# Allegro board ZDRK-36-DE3-A02-20190729.brd
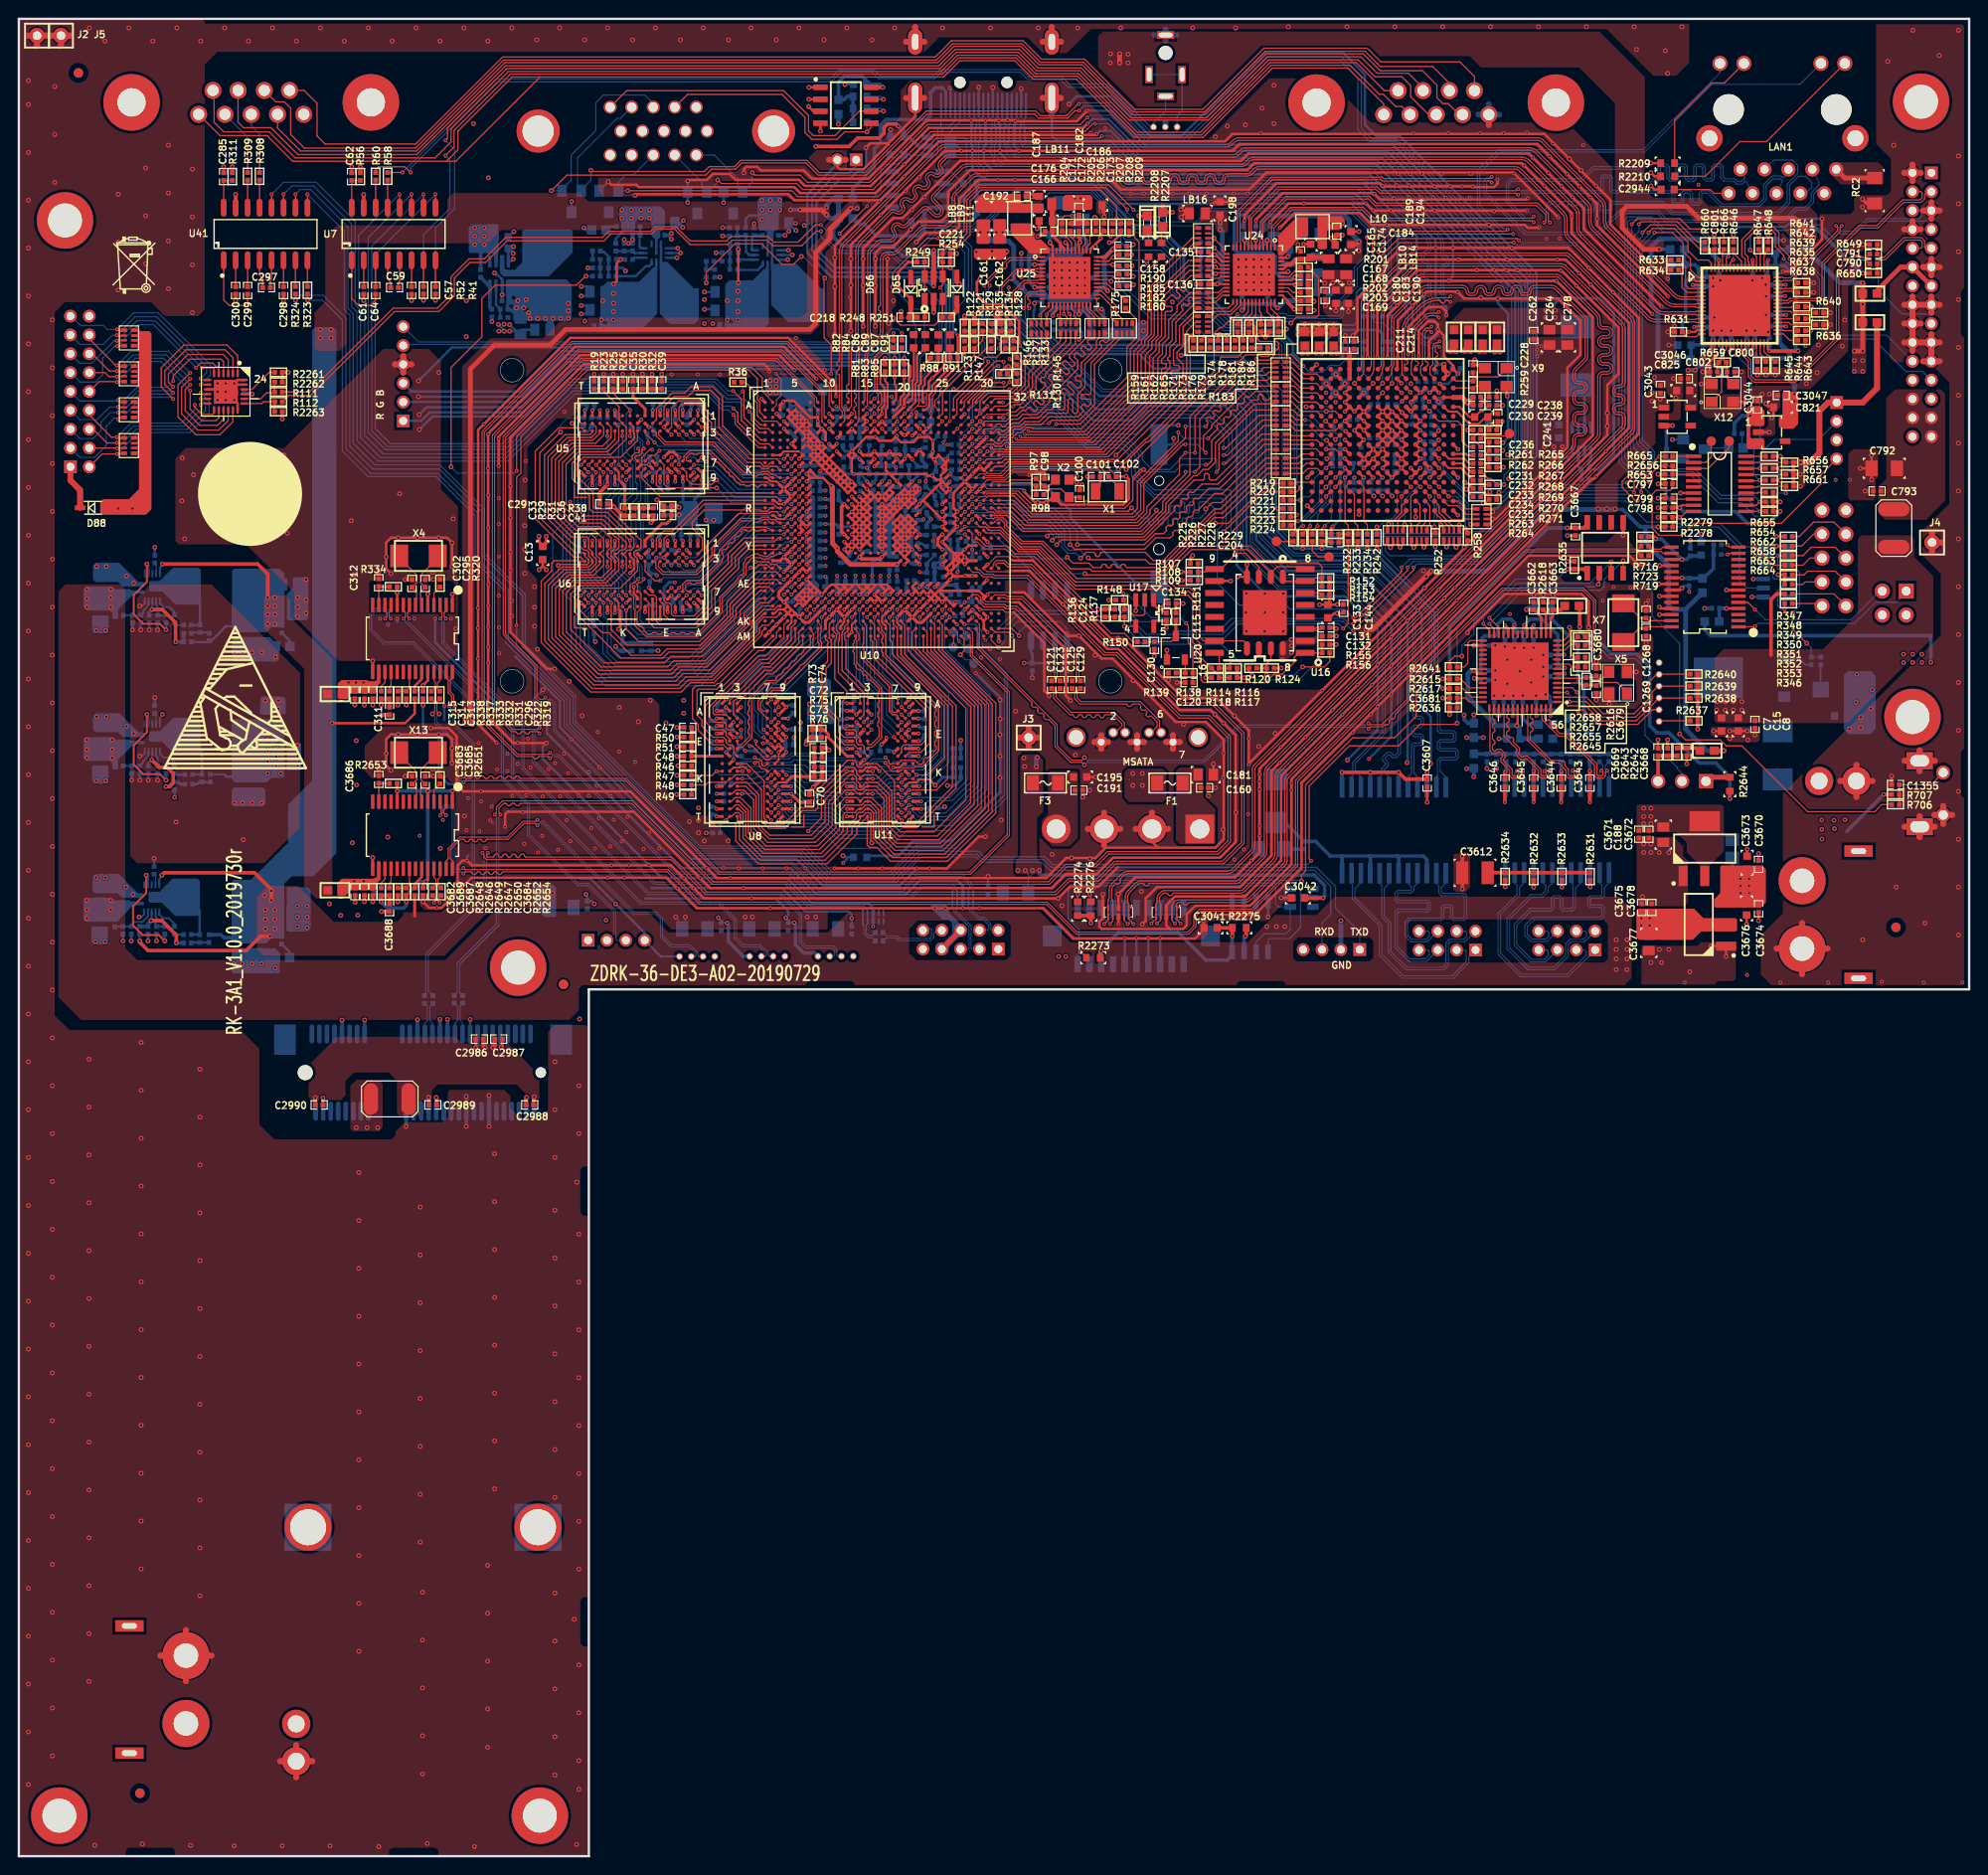
[diagram p0: board, top side]
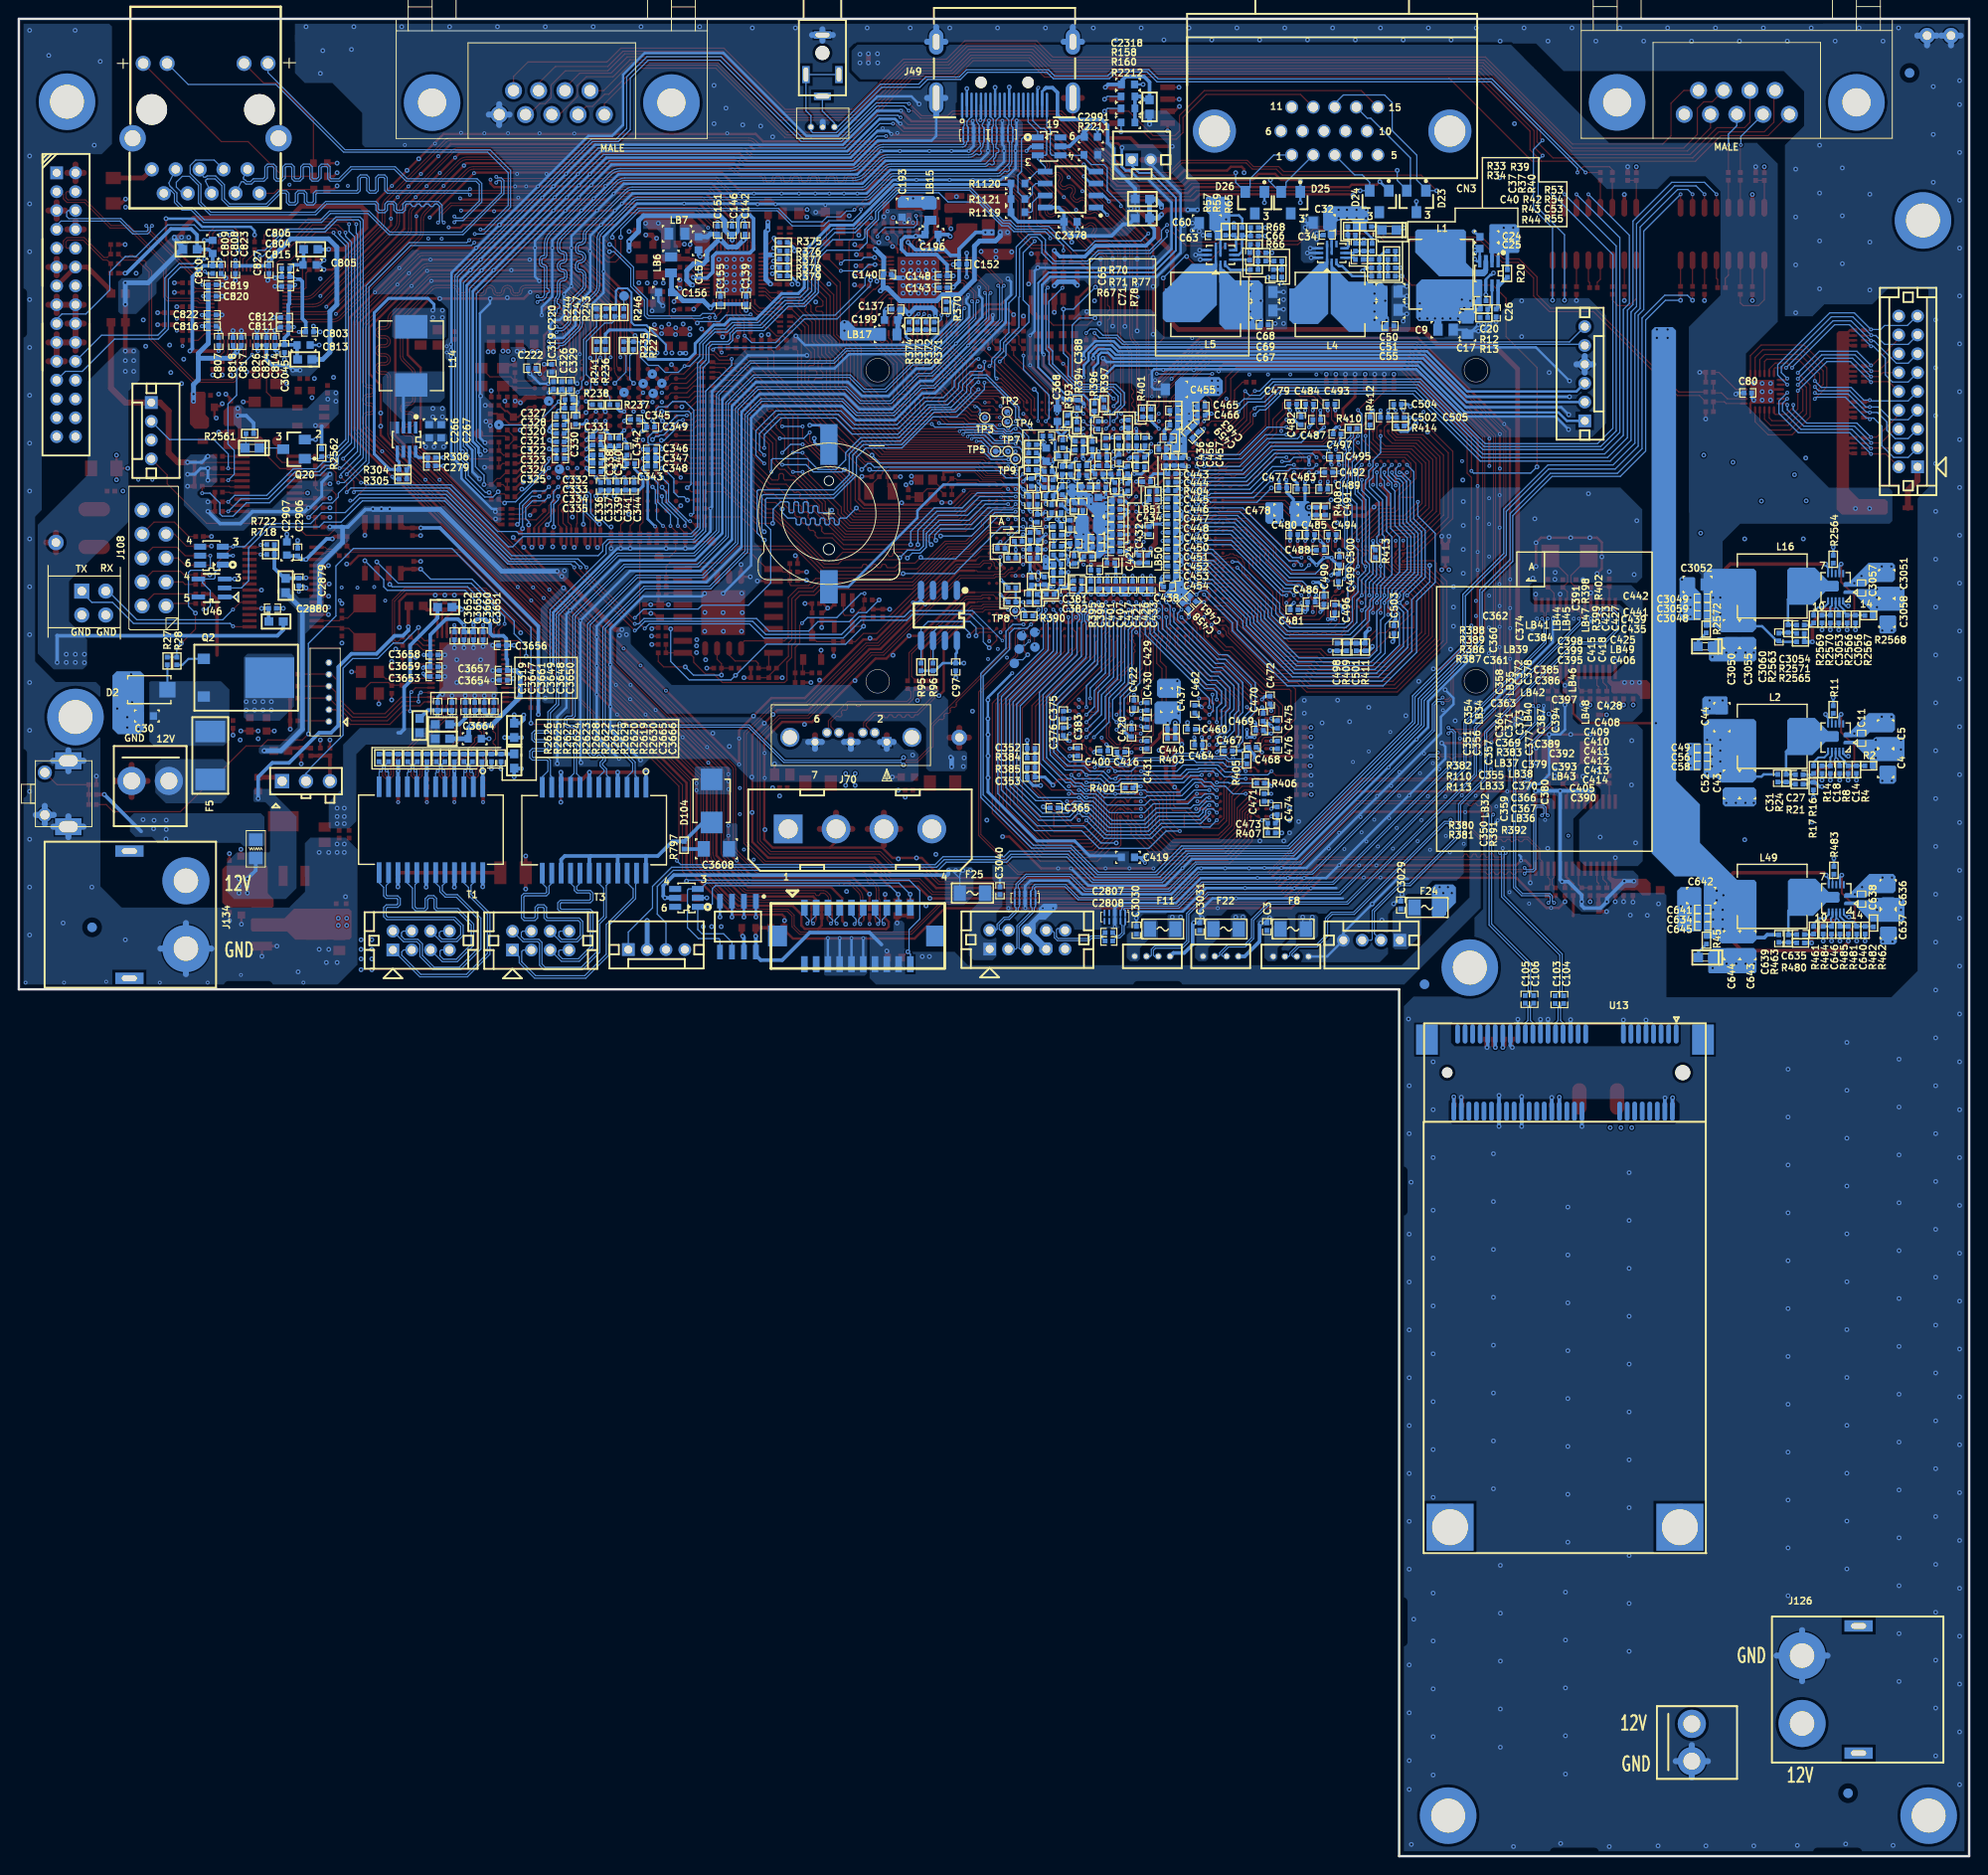
[diagram p1: board, bottom side, seen from below]

Outline 207.01 x 195 mm; copper layers: TOP, GND02, L3-SIG, BOTTOM. Coordinates in mm from the lower left corner of the outline.
Outline path: circle c52.35,157.71 r1.25 ; circle c52.35,124.69 r1.25 ; circle c115.85,157.71 r1.25 ; circle c115.85,124.69 r1.25 ; 0,195 207.01,195 207.01,92 60.5,92 60.5,0 0,0 0,195

## Design rules (mm)
constraint set DEFAULT: min track width 0.127
net group 15: nets JTAG_TCK JTAG_TRSTN
net group AC0_LINEIN_L: nets AC0_LINEIN_L N1265743
net group AC0_LINEIN_R: nets AC0_LINEIN_R N1265629
net group DIFFJ141: nets SATA_TXM2 SATA_TXP2
net group DIFFJ142: nets SATA_RXM1 SATA_RXP1
net group DIFFPAIR21: nets USB2_DM1 USB2_DP1
net group DIFFPAIR35: nets USB3_DM USB3_DP
net group DIFFPAIR37: nets USB3_TXM USB3_TXP
net group DIFFPAIR38: nets USB3_RXM USB3_RXP
net group DIFFPAIR45: nets SATA_TXM1 SATA_TXP1
net group DIFFPAIR76: nets USB_EX1_DM USB_EX1_DP
net group DIFFPAIR77: nets USB_EX4_DM USB_EX4_DP
net group DIFFPAIR78: nets USB_EX3_DM USB_EX3_DP
net group DIFFPAIR93: nets AUX+ AUX-
net group DIFFPAIR94: nets EDP_D1+ EDP_D1-
net group DIFFPAIR95: nets EDP_D0+ EDP_D0-
net group DIFFPAIR96: nets N18975062 N18975064
net group DIFFPAIR109: nets USB3_TX+ USB3_TX-
net group DIFFPAIR110: nets N18950898 N18950900
net group DIFFPAIR111: nets USB_EX3_DM1 USB_EX3_DP1
net group DIFFPAIR112: nets N18122565 N18122567
net group DIFFPAIR113: nets USB_EX1_DM1 USB_EX1_DP1
net group DIFFPAIR114: nets N19120167 N19120169
net group DIFFPAIR115: nets MSATA_TXDN MSATA_TXDP
net group DIFFPAIR116: nets MSATA_RXDN MSATA_RXDP
net group EPHY1_RSTN: nets EPHY1_RSTN N1300455
net group GE0_AN0: nets GE0_AN0 RGMII0_RXD2
net group GE0_AN1: nets GE0_AN1 RGMII0_RXD3
net group GE0_PHY_AD2: nets GE0_PHY_AD2 RGMII0_RXDV
net group GE0_SELRGV: nets GE0_SELRGV RGMII0_RXD0
net group GE0_TXDLY: nets GE0_TXDLY RGMII0_RXD1
net group GE1_AN0: nets GE1_AN0 RGMII1_RXD2
net group GE1_AN1: nets GE1_AN1 RGMII1_RXD3
net group GE1_PHY_AD2: nets GE1_PHY_AD2 RGMII1_RXDV
net group GE1_SELRGV: nets GE1_SELRGV RGMII1_RXD0
net group GE1_TXDLY: nets GE1_TXDLY RGMII1_RXD1
net group I2S0_SD_RX/I2S2_MCLK: nets I2S0_SD_RX/I2S2_MCLK N18041088
net group MDCK: nets BOOTROM_SEL MDCK
net group N121250: nets N121250 N121664
net group RGMII0_RXCK: nets N1294187 RGMII0_RXCK
net group RGMII0_TXCKOUT: nets N17994437 RGMII0_TXCKOUT
net group RGMII0_TXD0: nets N17994299 RGMII0_TXD0
net group RGMII0_TXD1: nets N17994300 RGMII0_TXD1
net group RGMII0_TXD2: nets N17994301 RGMII0_TXD2
net group RGMII0_TXD3: nets N17994302 RGMII0_TXD3
net group RGMII0_TXEN: nets N17994468 RGMII0_TXEN
net group RGMII1_RXCK: nets N17995805 RGMII1_RXCK
net group RGMII1_TXCKOUT: nets N17995130 RGMII1_TXCKOUT
net group RGMII1_TXD0: nets N17995041 RGMII1_TXD0
net group RGMII1_TXD1: nets N17995044 RGMII1_TXD1
net group RGMII1_TXD2: nets N17995047 RGMII1_TXD2
net group RGMII1_TXD3: nets N17995050 RGMII1_TXD3
net group RGMII1_TXEN: nets N17995116 RGMII1_TXEN
net group SATA_RX2: nets SATA_RXM2 SATA_RXP2
net group SATA_RXM0: nets N18912882 SATA_RXM0
net group SATA_RXP0: nets N18912884 SATA_RXP0
net group SATA_TXM0: nets N18912886 SATA_TXM0
net group SATA_TXP0: nets N18912888 SATA_TXP0
net group SFC_BOOT_MODE: nets SFC_BOOT_MODE SFC_CLK
net group SFC_HOLD_IO3: nets N369871 SFC_HOLD_IO3
net group USB_EX2: nets USB_EX2_DM USB_EX2_DP
net group VGA_HS: nets N791895 VGA_HS
net group VGA_VS: nets N791899 VGA_VS
net group VI_CLK: nets N18041729 VI_CLK
net group VI_D0: nets N18042646 VI_D0
net group VI_D1: nets N18042648 VI_D1
net group VI_D2: nets N18042650 VI_D2
net group VI_D3: nets N18042652 VI_D3
net group VI_D4: nets N18042638 VI_D4
net group VI_D5: nets N18042640 VI_D5
net group VI_D6: nets N18042642 VI_D6
net group VI_D7: nets N18042644 VI_D7
net group VI_D8: nets N18042664 VI_D8
net group VI_D9: nets N18042666 VI_D9
net group VI_D10: nets N18042668 VI_D10
net group VI_D11: nets N18042670 VI_D11
net group VI_D12: nets N18042654 VI_D12
net group VI_D13: nets N18042656 VI_D13
net group VI_D14: nets N18042658 VI_D14
net group VI_D15: nets N18042662 VI_D15
net group VOU1120-DATA: nets SN_BOOT_PIN0 SN_BOOT_PIN2
net group VOU1120_DATA5/I2S0_WS_RX: nets N18041076 VOU1120_DATA5/I2S0_WS_RX
net group VOU1120_DATA6/I2S0_BCLK_RX: nets N18042636 VOU1120_DATA6/I2S0_BCLK_RX
net group WDG_RSTN: nets N121704 WDG_RSTN
net group BOOT_SEL1: nets BOOT_SEL1 EPHY0_CLK N1294199
net group DDR0: nets DDR0_A0 DDR0_A1 DDR0_A2 DDR0_A3 DDR0_A4 DDR0_A5 DDR0_A6 DDR0_A7 DDR0_A8 DDR0_A9 DDR0_A10 DDR0_A11 DDR0_A12 DDR0_A13 DDR0_A14 DDR0_A15 DDR0_BA0 DDR0_BA1 DDR0_BA2 DDR0_CAS_N DDR0_CKE DDR0_CS_N DDR0_ODT DDR0_RAS_N DDR0_RESET_N DDR0_WE_N DDR0_ZQ
net group DDR0_DQ0: nets DDR0_DM0 DDR0_DQ0 DDR0_DQ1 DDR0_DQ2 DDR0_DQ3 DDR0_DQ4 DDR0_DQ5 DDR0_DQ6 DDR0_DQ7 DDR0_DQS0_N DDR0_DQS0_P
net group DDR0_DQ1: nets DDR0_DM1 DDR0_DQ8 DDR0_DQ9 DDR0_DQ10 DDR0_DQ11 DDR0_DQ12 DDR0_DQ13 DDR0_DQ14 DDR0_DQ15 DDR0_DQS1_N DDR0_DQS1_P
net group DDR0_DQ2: nets DDR0_DM2 DDR0_DQ16 DDR0_DQ17 DDR0_DQ18 DDR0_DQ19 DDR0_DQ20 DDR0_DQ21 DDR0_DQ22 DDR0_DQ23 DDR0_DQS2_N DDR0_DQS2_P
net group DDR0_DQ3: nets DDR0_DM3 DDR0_DQ24 DDR0_DQ25 DDR0_DQ26 DDR0_DQ27 DDR0_DQ28 DDR0_DQ29 DDR0_DQ30 DDR0_DQ31 DDR0_DQS3_N DDR0_DQS3_P
net group DDR1: nets DDR1_A0 DDR1_A1 DDR1_A2 DDR1_A3 DDR1_A4 DDR1_A5 DDR1_A6 DDR1_A7 DDR1_A8 DDR1_A9 DDR1_A10 DDR1_A11 DDR1_A12 DDR1_A13 DDR1_A14 DDR1_A15 DDR1_BA0 DDR1_BA1 DDR1_BA2 DDR1_CAS_N DDR1_CKE DDR1_CS_N DDR1_ODT DDR1_RAS_N DDR1_RESET_N DDR1_WE_N DDR1_ZQ
net group DDR1_DQ0: nets DDR1_DM0 DDR1_DQ0 DDR1_DQ1 DDR1_DQ2 DDR1_DQ3 DDR1_DQ4 DDR1_DQ5 DDR1_DQ6 DDR1_DQ7 DDR1_DQS0_N DDR1_DQS0_P
net group DDR1_DQ1: nets DDR1_DM1 DDR1_DQ8 DDR1_DQ9 DDR1_DQ10 DDR1_DQ11 DDR1_DQ12 DDR1_DQ13 DDR1_DQ14 DDR1_DQ15 DDR1_DQS1_N DDR1_DQS1_P
net group DDR1_DQ2: nets DDR1_DM2 DDR1_DQ16 DDR1_DQ17 DDR1_DQ18 DDR1_DQ19 DDR1_DQ20 DDR1_DQ21 DDR1_DQ22 DDR1_DQ23 DDR1_DQS2_N DDR1_DQS2_P
net group DDR1_DQ3: nets DDR1_DM3 DDR1_DQ24 DDR1_DQ25 DDR1_DQ26 DDR1_DQ27 DDR1_DQ28 DDR1_DQ29 DDR1_DQ30 DDR1_DQ31 DDR1_DQS3_N DDR1_DQS3_P
net group EPHY0_RSTN: nets EPHY0_RSTN N1293779 UPDATE_FROM_USB
net group EPHY1_CLK: nets EPHY1_CLK N1300229 SATA_PCIE_MODE1
net group GE1_1V05_PHY: nets GE1_1V05_PHY
net group MDI: nets GE1_MDI0_N GE1_MDI0_P GE1_MDI1_N GE1_MDI1_P GE1_MDI2_N GE1_MDI2_P GE1_MDI3_N GE1_MDI3_P
net group MDI1: nets GE0_MDI0_N GE0_MDI0_P GE0_MDI1_N GE0_MDI1_P GE0_MDI2_N GE0_MDI2_P GE0_MDI3_N GE0_MDI3_P
net group RGMII: nets RGMII0_COL RGMII0_RXER RGMII1_COL RGMII1_CRS RGMII1_RXER
net group SN_BOOT_PIN1: nets N18043752 SN_BOOT_PIN1 VOU1120_DATA8/I2S0_MCLK
net group XIN: nets N120940 XIN XOUT

## Placement (name value [footprint] x y rotation side)
BT1  -  [CR1220]  121.03 142.47 270 bottom
C3  100NF  [SC0402]  74.55 98.65 90 bottom
C4  22UF  [SC0805]  8.86 116 270 bottom
C5  22UF  [SC0805]  8.86 119.05 90 bottom
C7  10uf  [SC0603]  180.72 120.12 270 top
C8  100NF  [SC0402]  184.28 120.12 270 top
C9  22UF  [SC0805]  55.57 162 180 bottom
C11  100NF  [SC0402]  11.43 118.64 90 bottom
C13  10uf  [SC0603]  55.6 138.3 90 top
C14  220NF  [SC0402]  12.85 115.32 270 bottom
C15  10uf  [SC0603]  182.5 120.12 270 top
C17  22UF  [SC0805]  53.24 162.33 270 bottom
C18  1UF  [SC0402]  14.73 115.32 270 bottom
C20  220NF  [SC0402]  51.68 165.08 180 bottom
C24  10uf  [SC0603]  51.23 171.86 180 bottom
C25  10uf  [SC0603]  51.23 170.61 180 bottom
C26  220NF  [SC0402]  50.21 163.78 270 bottom
C27  220NF  [SC0402]  18.03 114.78 0 bottom
C29  100NF  [SC0402]  62.08 143.51 0 top
C30  10uf  [SC0603]  193.42 121.01 0 bottom
C31  220PF  [SC0402]  20.32 114.4 90 bottom
C32  22UF  [SC0805]  68.82 173.35 0 bottom
C33  100NF  [SC0402]  64.3 142.68 270 top
C34  100NF  [SC0402]  68.14 172.05 0 bottom
C35  100NF  [SC0402]  65.19 156.14 90 top
C36  100NF  [SC0402]  67.35 142.68 90 top
C37  220NF  [SC0402]  65.14 170.76 90 bottom
C39  100NF  [SC0402]  68.24 156.14 270 top
C40  NC  [SC0402]  64.73 169.46 180 bottom
C41  100NF  [SC0402]  68.87 142.3 180 top
C43  22UF  [SC0805]  23.52 113.74 270 bottom
C44  22UF  [SC0805]  26.24 120.88 90 bottom
C47  100NF  [SC0402]  71 119.79 0 top
C48  100NF  [SC0402]  71 116.74 180 top
C49  100NF  [SC0402]  28.32 117.55 0 bottom
C50  22UF  [SC0805]  61.43 166.03 180 bottom
C51  22UF  [SC0805]  61.43 164.1 180 bottom
C52  22UF  [SC0805]  25.22 113.74 270 bottom
C53  1UF  [SC0402]  61.3 168.57 180 bottom
C55  100NF  [SC0402]  61.47 162.41 180 bottom
C56  100NF  [SC0402]  28.32 116.66 0 bottom
C57  100NF  [SC0402]  41.68 166.17 270 top
C58  100NF  [SC0402]  28.32 115.77 0 bottom
C59  100NF  [SC0402]  39.88 166.47 180 top
C60  22UF  [SC0805]  80.91 173.32 0 bottom
C61  100NF  [SC0402]  36.6 166.17 270 top
C62  100NF  [SC0402]  35.33 178.26 90 top
C63  100NF  [SC0402]  80.23 172.03 0 bottom
C64  100NF  [SC0402]  37.87 166.17 270 top
C65  NC  [SC0402]  76.37 169.79 90 bottom
C66  220NF  [SC0402]  75.86 171.95 180 bottom
C67  100NF  [SC0402]  74.8 162.53 180 bottom
C68  22UF  [SC0805]  74.71 166.01 180 bottom
C69  22UF  [SC0805]  74.71 164.05 180 bottom
C70  100NF  [SC0402]  83.92 112.27 90 top
C71  1UF  [SC0402]  73.85 167.99 270 bottom
C72  100NF  [SC0402]  84.84 117.63 180 top
C73  100NF  [SC0402]  84.84 115.59 0 top
C74  100NF  [SC0402]  85.22 119.15 270 top
C80  100NF  [SC0402]  23.5 155.3 180 bottom
C86  10uf  [SC0603]  94.97 160.78 90 top
C87  10uf  [SC0603]  97.59 160.76 90 top
C89  10uf  [SC0603]  96.22 160.78 90 top
C91  10uf  [SC0603]  98.86 160.76 90 top
C97  100NF  [SC0402]  107.57 126.21 90 bottom
C98  22PF  [SC0402]  108.86 145.8 270 top
C100  22PF  [SC0402]  112.6 144.6 270 top
C101  22PF  [SC0402]  114.38 146.41 0 top
C102  22PF  [SC0402]  116.08 146.41 180 top
C103  10NF  [SC0402]  43.94 90.91 90 bottom
C104  10NF  [SC0402]  43.05 90.91 90 bottom
C105  10NF  [SC0402]  47.12 90.93 90 bottom
C106  10NF  [SC0402]  46.23 90.93 90 bottom
C115  100NF  [SC0402]  121.79 131.55 90 top
C120  1NF  [SC0402]  124.21 124.56 180 top
C121  10NF  [SC0402]  109.63 124.33 90 top
C123  10NF  [SC0402]  110.52 124.33 90 top
C124  1NF  [SC0402]  116.33 131.93 90 top
C125  10NF  [SC0402]  111.79 124.33 90 top
C129  10NF  [SC0402]  112.67 124.33 90 top
C130  100NF  [SC0402]  120.52 128.5 270 top
C131  1NF  [SC0402]  138.73 130.38 0 top
C132  100NF  [SC0402]  138.73 129.49 0 top
C133  10uf  [SC0603]  138.94 132.13 270 top
C134  100NF  [SC0402]  122.43 132.94 180 top
C135  100NF  [SC0402]  125.86 170.26 180 top
C136  100NF  [SC0402]  125.86 166.83 180 top
C137  100NF  [SC0402]  113.92 164.19 0 bottom
C139  100NF  [SC0402]  129.82 165.13 90 bottom
C140  100NF  [SC0402]  114.81 167.87 180 bottom
C142  100NF  [SC0402]  129.92 172.57 90 bottom
C143  100NF  [SC0402]  108.89 166.47 0 bottom
C144  100NF  [SC0402]  140.59 132.44 270 top
C146  100NF  [SC0402]  131.32 172.57 90 bottom
C148  100NF  [SC0402]  108.89 167.72 0 bottom
C151  100NF  [SC0402]  132.84 172.57 90 bottom
C152  100NF  [SC0402]  106.81 168.96 180 bottom
C155  100NF  [SC0402]  132.54 165.13 90 bottom
C156  10uf  [SC0603]  138.43 165.96 0 bottom
C157  10uf  [SC0603]  134.87 171.17 270 bottom
C158  100NF  [SC0402]  117.2 170.87 0 top
C160  100NF  [SC0402]  125.86 113.39 0 top
C161  10uf  [SC0603]  102.46 170.81 270 top
C162  10uf  [SC0603]  104.09 170.84 270 top
C165  100NF  [SC0402]  136.04 169.93 90 top
C166  100NF  [SC0402]  109.32 172.44 180 top
C167  100NF  [SC0402]  136.45 167.74 0 top
C168  100NF  [SC0402]  136.45 166.85 0 top
C169  100NF  [SC0402]  136.45 164.19 0 top
C171  100NF  [SC0402]  111.63 172.87 90 top
C172  100NF  [SC0402]  112.52 172.87 90 top
C173  100NF  [SC0402]  115.19 172.87 90 top
C174  10uf  [SC0603]  137.11 170.38 90 top
C176  10uf  [SC0603]  108.99 173.53 180 top
C180  100NF  [SC0402]  138.66 165.63 270 top
C181  22UF  [SC0805]  125.98 114.78 0 top
C182  100NF  [SC0402]  112.52 174.57 270 top
C183  10uf  [SC0603]  139.8 165.51 270 top
C184  10uf  [SC0603]  139.01 170.99 0 top
C186  10uf  [SC0603]  114.27 175.23 0 top
C187  10uf  [SC0603]  108.28 175.46 90 top
C188  1UF  [SC0402]  173.01 108.45 270 top
C189  100NF  [SC0402]  139.88 172.47 270 top
C190  10uf  [SC0603]  141.12 165.51 270 top
C191  100NF  [SC0402]  112.52 113.13 0 top
C192  100NF  [SC0402]  106.5 176.17 0 top
C193  10uf  [SC0603]  113.26 174.65 270 bottom
C194  10uf  [SC0603]  141.4 171.73 90 top
C195  10uf  [SC0603]  112.65 114.53 0 top
C196  10uf  [SC0603]  110.13 172.11 180 bottom
C198  10uf  [SC0603]  127.48 174.88 90 top
C199  10uf  [SC0603]  114.43 163.04 0 bottom
C204  4.7uf  [SC0402]  139.7 139.42 180 top
C211  100NF  [SC0402]  140.79 160.35 90 top
C214  100NF  [SC0402]  141.68 160.35 90 top
C218  100NF  [SC0402]  94.06 163.32 180 top
C220  100NF  [SC0402]  150.44 157.91 270 bottom
C221  100NF  [SC0402]  98.45 170.08 0 top
C222  100NF  [SC0402]  152.55 157.91 0 bottom
C228  10pF  [SC0402]  154.36 157.86 270 top
C229  100NF  [SC0402]  154.76 154.86 0 top
C230  100NF  [SC0402]  154.76 153.97 0 top
C231  100NF  [SC0402]  154.76 149.58 180 top
C232  100NF  [SC0402]  154.76 148.69 180 top
C233  100NF  [SC0402]  154.76 147.8 180 top
C234  1NF  [SC0402]  154.76 146.91 180 top
C235  100NF  [SC0402]  154.76 146.02 180 top
C236  10uf  [SC0603]  155.22 152.73 180 top
C238  10pF  [SC0402]  156.46 154.86 180 top
C239  100NF  [SC0402]  156.46 153.97 180 top
C241  100NF  [SC0402]  156.97 152.68 90 top
C262  220NF  [SC0402]  160.78 161.39 270 top
C264  22UF  [SC0805]  162.46 161.19 270 top
C266  10uf  [SC0603]  163.45 151.23 90 bottom
C267  10uf  [SC0603]  162.18 151.23 90 bottom
C278  22UF  [SC0805]  164.36 161.19 270 top
C279  220NF  [SC0402]  163.19 147.55 180 bottom
C285  100NF  [SC0402]  21.74 178.26 90 top
C295  22pF  [SC0402]  43.13 135.08 270 top
C296  100NF  [SC0402]  42.9 123.24 270 top
C297  100NF  [SC0402]  26.29 166.47 180 top
C298  100NF  [SC0402]  28.09 166.17 270 top
C299  100NF  [SC0402]  24.28 166.17 270 top
C300  100NF  [SC0402]  23.01 166.17 270 top
C302  22pF  [SC0402]  41.73 135.08 270 top
C311  100NF  [SC0402]  39.34 121.54 270 top
C312  100NF  [SC0402]  38.2 135.15 90 top
C313  100NF  [SC0402]  37.57 123.24 270 top
C314  100NF  [SC0402]  36.68 123.24 270 top
C315  100NF  [SC0402]  35.66 123.24 270 top
C319  100NF  [SC0402]  150.27 156.08 90 bottom
C320  100NF  [SC0402]  149.53 152.78 0 bottom
C321  100NF  [SC0402]  149.53 151.89 0 bottom
C322  100NF  [SC0402]  149.53 151 0 bottom
C323  100NF  [SC0402]  149.53 150.11 0 bottom
C324  100NF  [SC0402]  149.53 149.22 0 bottom
C325  100NF  [SC0402]  149.53 148.34 0 bottom
C326  100NF  [SC0402]  149.38 156.08 90 bottom
C327  100NF  [SC0402]  148.64 154.58 0 bottom
C328  100NF  [SC0402]  148.67 153.67 0 bottom
C329  100NF  [SC0402]  148.49 156.08 90 bottom
C330  100NF  [SC0402]  147.93 152.37 270 bottom
C331  100NF  [SC0402]  145.67 150.65 0 bottom
C332  100NF  [SC0402]  145.67 149.76 0 bottom
C333  100NF  [SC0402]  145.64 148.72 0 bottom
C334  100NF  [SC0402]  145.64 147.83 0 bottom
C335  100NF  [SC0402]  145.64 146.94 0 bottom
C336  100NF  [SC0402]  145.26 145.39 270 bottom
C337  100NF  [SC0402]  144.37 145.39 270 bottom
C338  100NF  [SC0402]  144.25 150.09 90 bottom
C339  100NF  [SC0402]  143.48 145.39 270 bottom
C340  100NF  [SC0402]  143.36 150.09 90 bottom
C341  100NF  [SC0402]  142.6 145.39 270 bottom
C342  100NF  [SC0402]  142.47 149.1 90 bottom
C343  100NF  [SC0402]  142.06 147.8 180 bottom
C344  100NF  [SC0402]  141.71 145.39 270 bottom
C345  100NF  [SC0402]  141.66 152.48 0 bottom
C346  100NF  [SC0402]  139.85 149.3 180 bottom
C347  100NF  [SC0402]  139.85 148.41 180 bottom
C348  100NF  [SC0402]  139.85 147.52 180 bottom
C349  100NF  [SC0402]  139.95 151.66 180 bottom
C350  100NF  [SC0402]  99.82 133.5 270 bottom
C351  100NF  [SC0402]  99.8 143.89 270 bottom
C352  100NF  [SC0402]  99.57 117.56 180 bottom
C353  100NF  [SC0402]  99.57 114.51 0 bottom
C354  100NF  [SC0402]  99.54 145.8 90 bottom
C355  1UF  [SC0402]  99.29 138.68 0 bottom
C356  1UF  [SC0402]  98.91 141.99 270 bottom
C357  100NF  [SC0402]  98.78 140.08 90 bottom
C358  1UF  [SC0402]  98.15 145.67 90 bottom
C359  1UF  [SC0402]  98.15 135.36 90 bottom
C360  10uf  [SC0603]  97.97 148.74 90 bottom
C361  100NF  [SC0402]  97.74 146.96 0 bottom
C362  100NF  [SC0402]  97.92 150.72 0 bottom
C363  100NF  [SC0402]  97.61 144.37 180 bottom
C364  1UF  [SC0402]  97.38 143 90 bottom
C365  1UF  [SC0402]  97.13 111.25 0 bottom
C366  100NF  [SC0402]  96.8 137.13 180 bottom
C367  1UF  [SC0402]  96.8 136.22 180 bottom
C368  10uf  [SC0603]  96.77 152.96 90 bottom
C369  100NF  [SC0402]  96.77 141.1 180 bottom
C370  1UF  [SC0402]  96.77 138.1 0 bottom
C371  1UF  [SC0402]  96.37 143 270 bottom
C372  1UF  [SC0402]  96.27 147.07 270 bottom
C373  100NF  [SC0402]  96.24 144.91 90 bottom
C374  100NF  [SC0402]  96.22 149.89 270 bottom
C375  100NF  [SC0402]  96.14 121.12 90 bottom
C376  1UF  [SC0402]  96.14 119.34 270 bottom
C377  1UF  [SC0402]  95.4 141.38 90 bottom
C378  100NF  [SC0402]  95.38 147.07 270 bottom
C379  1UF  [SC0402]  95.02 139.32 180 bottom
C380  100NF  [SC0402]  95 137.59 90 bottom
C381  100NF  [SC0402]  94.63 135.37 180 bottom
C382  100NF  [SC0402]  94.63 134.48 180 bottom
C383  470NF  [SC0402]  94.62 117.18 90 bottom
C384  1UF  [SC0402]  94.46 149.22 0 bottom
C385  1UF  [SC0402]  94.08 147.57 0 bottom
C386  1UF  [SC0402]  94.08 146.56 0 bottom
C387  100NF  [SC0402]  94.08 143.26 270 bottom
C388  1UF  [SC0402]  94.64 154.13 90 bottom
C389  22UF  [SC0805]  93.32 141.25 0 bottom
C390  100NF  [SC0402]  92.81 136.5 180 bottom
C391  1UF  [SC0402]  92.46 151.87 90 bottom